# Altium PCB DAC5682.PcbDoc (part 3 of 3)
Units mil, origin at the board's own origin, x right, y up, seen from the top; angles counter-clockwise.
Board outline 2673.5 x 3399 mil, 4 copper layers (Top Layer, Layer 1, Layer 2, Bottom Layer), stack 23.756 mil thick; 202 components, 137 nets, 676 pads, 436 vias.
Unrouted connection lines stored in the file: 2.
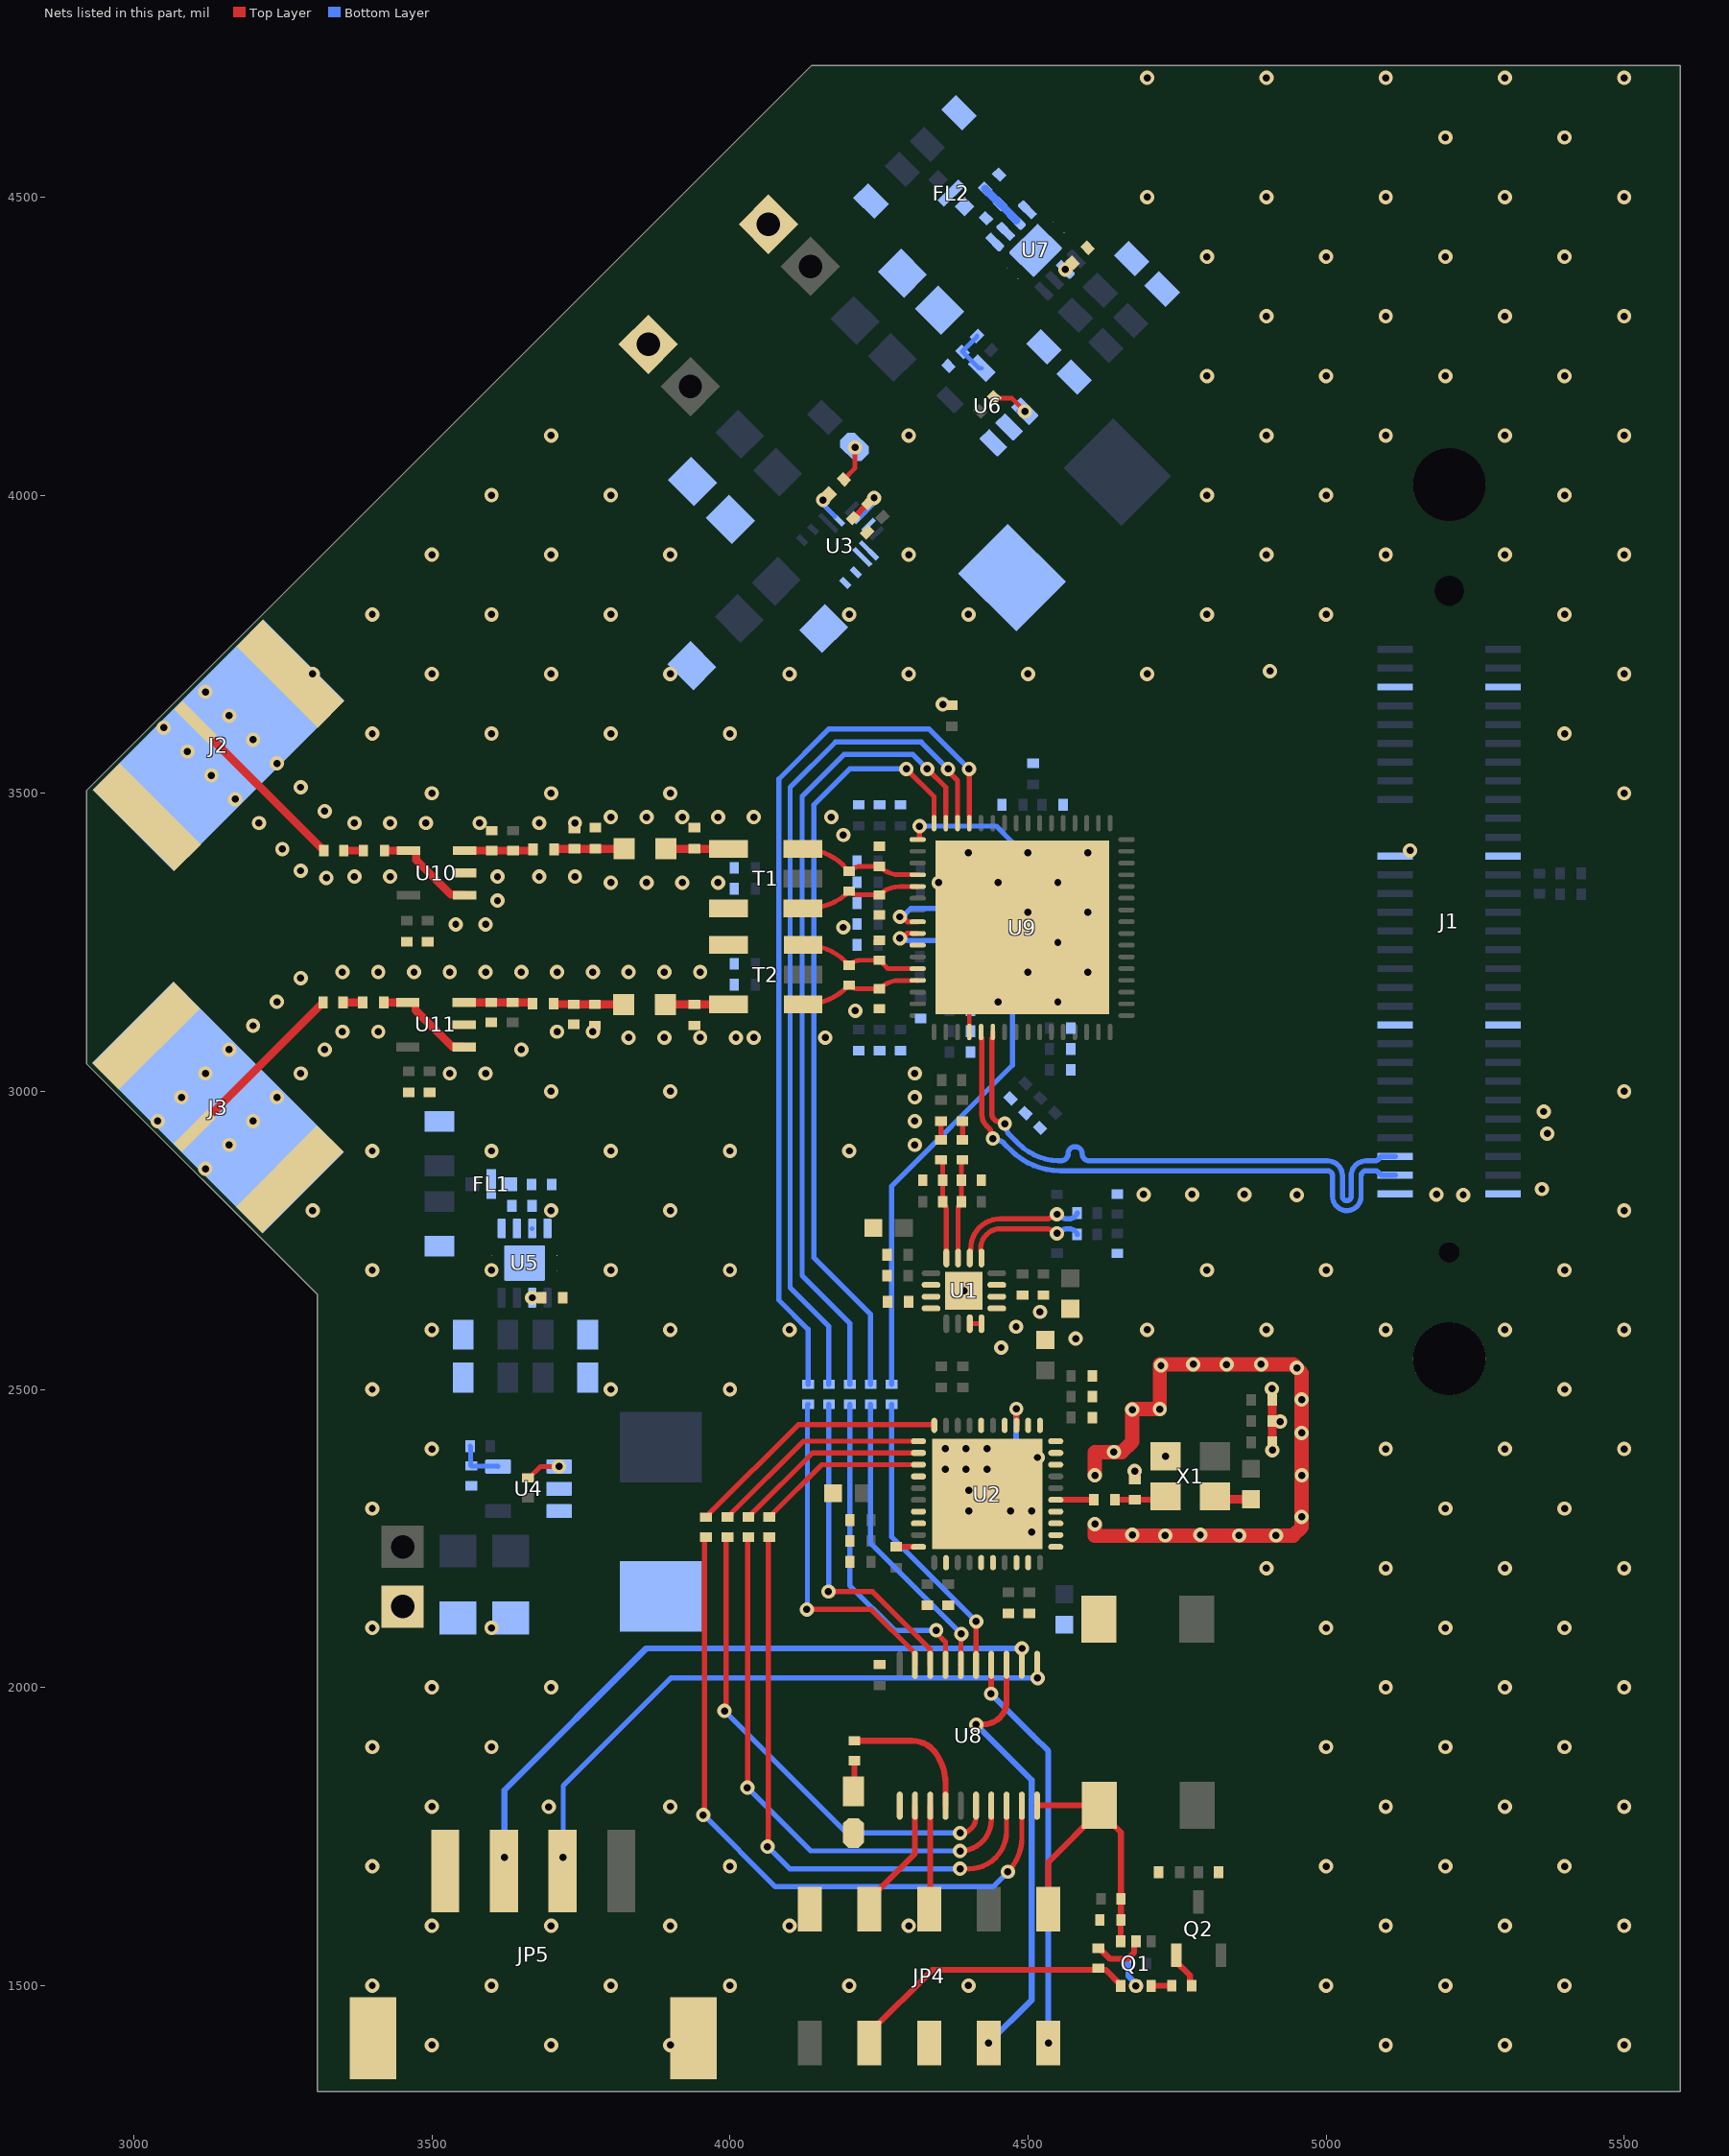
[diagram p5: the nets of this part, all layers, seen from the top]

## Via types
v1: diameter 24, hole 12, Top Layer to Bottom Layer, tented both sides, 436 vias

## Nets (pads, with @x,y where several pads share a name; then routed paths per layer and width w, separated by ;. In a path a pad name is that pad's centre, name@x,y a point inside that pad or via, vN(x,y) a via of type N, cw(c..) or ccw(c..) an arc to the next point about the centre after c; other vN are vias at no path point) (continued)
GND: C1.2 C4.1 C5.1 C6.1 C8.1 C9.1 C10.1 C11.1 C12.1 C13.1 C14.1 C17.1 C18.1 C19.1 C21.1 C22.1 C23.2 C24.2 C25.1 C26.1 C27.1 C28.1 C29.1 C30.1 C31.1 C32.1 C33.1 C34.1 C35.1 C36.1 C37.1 C38.1 C39.1 C40.1 C41.1 C42.1 C43.1 C44.1 C45.1 C46.1 C47.1 C48.2 C49.2 C50.2 C51.2 C52.1 C53.1 C54.1 C55.1 C56.2 C57.1 C58.1 C59.1 C60.1 C61.1 C62.1 C63.1 C64.1 C65.1 C66.1 C67.1 C68.1 C69.1 C70.1 C71.1 C72.1 C73.1 C74.1 C75.1 C76.1 C77.1 C78.1 C79.1 C80.1 C81.1 C82.1 C83.1 C84.1 C85.1 C86.2 C89.2 C90.2 C93.2 C94.2 C95.2 C96.1 C97.1 C98.1 C99.1 C100.1 C101.1 C102.1 C103.1 C106.1 FL1.2 FL2.2 J1.1 J1.10 J1.19 J1.28 J1.31 J1.40 J1.49 J1.58 J2.2 J2.3 J2.4 J3.2 J3.3 J3.4 JP1.1 JP2.1 JP3.1 JP4.1 JP4.6 JP5.0 JP5.1 LED2.2 pad.0@5206.85,2551.42 R2.2 R11.1 R14.2 R15.2 R16.2 R20.1 R24.2 R25.1 R31.2 R32.1 R45.1 R46.1 R49.2 R50.1 R51.1 R53.1 R55.2 R57.1 R58.1 R61.2 SW2.2 T1.4 T2.6 U1.3 U1.4 U1.5 U1.6 U1.7 U1.14 U1.17 U2.2 U2.5 U2.6 U2.8 U2.9 U2.11 U2.12 U2.13 U2.14 U2.18 U2.19 U2.20 U2.21 U2.22 U2.24 U2.26 U2.34 U2.37 U2.38 U2.41 U3.1 U3.2 U3.11 U4.2 U5.4 U5.9 U6.2 U7.4 U7.9 U8.1 U9.4 U9.58 U9.65 U10.2 U11.2 X1.2 | length 1464.2
  Top Layer w7.87: U9.4@4401.49,3099.43 U9.65@4401.49,3186.04
  Top Layer w8: U9.65@4401.49,3186.04 U9.65@4490.07,3274.62 ; U1.3@4402.32,2610.19 U1.4@4422.01,2610.19
  Top Layer w15: C19.1@4909.63,2411.24 C17.1@4909.61,2482.45
  Top Layer w24: v1(4612,2274) 4612,2254.13 4673.13,2254.13 v1(4675,2256) ; v1(4612,2355.75) 4612,2394.75 4657.42,2394.75 4675,2412.32 4675,2466.75 v1(4721,2466.75) 4721,2541.75 v1(4832.97,2541.75) 4890.75,2541.75 v1(4891,2542) 4945,2542 v1(4951,2536) ; v1@4675,2254.75 4944.94,2254.75 4959,2268.81 v1(4959,2286) 4959,2355.5 v1(4959.27,2355.77) 4959,2356.04 v1(4959,2427) 4959,2527.69 v1@4950.84,2535.84
  other v1: 3500,1400 3700,1400 3900,1400 5100,1400 5300,1400 5500,1400 3400,1500 3600,1500 3800,1500 4000,1500 4200,1500 4400,1500 5000,1500 5200,1500 5400,1500 3500,1600 3700,1600 3900,1600 4100,1600 4300,1600 5100,1600 5300,1600 5500,1600 3400,1700 4000,1700 5000,1700 5200,1700 5400,1700 3500,1800 3695.93,1799.59 3900,1800 5100,1800 5300,1800 5500,1800 3400,1900 3600,1900 5000,1900 5200,1900 5400,1900 3500,2000 3700,2000 5100,2000 5300,2000 5500,2000 3400,2100 3600,2100 5000,2100 5200,2100 5400,2100 4900,2200 5100,2200 5300,2200 5500,2200 4730,2255 4854,2255 4916,2255 4789,2256 4506,2260.75 4401,2295.75 4471,2295.75 4506,2295.75 3400,2300 5200,2300 5400,2300 4401,2330.75 4679,2363 4361,2365.75 4396,2365.75 4431,2365.75 4516,2385.75 4730.74,2387.53 4644,2395 4910,2398 3500,2400 5100,2400 5300,2400 5500,2400 4361,2400.75 4396,2400.75 4431,2400.75 4923,2446 4675,2466 4959,2483 3400,2500 3800,2500 4000,2500 5400,2500 4909,2501 4723,2540 4777,2542 4455,2570 4580,2585 3500,2600 3900,2600 4100,2600 4700,2600 4900,2600 5100,2600 5300,2600 5500,2600 4480,2605 4520,2630 4392.48,2665.31 3400,2700 3600,2700 3800,2700 4000,2700 4800,2700 5000,2700 5400,2700 3300,2800 3700,2800 3900,2800 5500,2800 4951,2826 5230,2826 4694,2827 4775,2827 4863,2827 5185,2827 5362,2836 3120,2870 3400,2900 3600,2900 3800,2900 4000,2900 4200,2900 3160,2910 4310,2910 5371,2929 3040,2950 3200,2950 4310,2950 5365,2966 3080,2990 3240,2990 4310,2990 3700,3000 3900,3000 5500,3000 3120,3030 3280,3030 3530,3030 3590,3030 4310,3030 3160,3070 3320,3070 3650,3070 3830,3090 3890,3090 3950,3090 4010,3090 4040,3090 4160,3090 3350,3100 3410,3100 3710,3100 3770,3100 3200,3110 4210.18,3135.2 3240,3150 4450,3150 4550,3150 3280,3190 3350,3200 3410,3200 3470,3200 3530,3200 3590,3200 3650,3200 3710,3200 3770,3200 3830,3200 3890,3200 3950,3200 4500,3200 4600,3200 4550,3250 4190,3275 3540,3280 3590,3280 4500,3300 4600,3300 3610,3320 3800,3350 3860,3350 3920,3350 3980,3350 4350,3350 4450,3350 4550,3350 3323,3358 3370,3360 3430,3360 3610,3360 3680,3360 3740,3360 3280,3370 4400,3400 4500,3400 4600,3400 5141,3404 3249.06,3406.44 4190,3430 3210,3450 3370,3450 3430,3450 3490,3450 3580,3450 3680,3450 3740,3450 3800,3460 3860,3460 3920,3460 3980,3460 4040,3460 4170,3460 3320,3470 3170,3490 3500,3500 3700,3500 3900,3500 5500,3500 3280,3510 3130,3530 3240,3550 3090,3570 3200,3590 3400,3600 3600,3600 3800,3600 4000,3600 5400,3600 3050,3610 3160,3630 4357,3649 3120,3670 3300,3700 3500,3700 3700,3700 3900,3700 4100,3700 4300,3700 4500,3700 4700,3700 5500,3700 4906,3705 3400,3800 3600,3800 3800,3800 4200,3800 4400,3800 4800,3800 5000,3800 5400,3800 3500,3900 3700,3900 3900,3900 4300,3900 4900,3900 5100,3900 5300,3900 5500,3900 3600,4000 3800,4000 4800,4000 5000,4000 5400,4000 3700,4100 4300,4100 4900,4100 5100,4100 5300,4100 5500,4100 4800,4200 5000,4200 5200,4200 5400,4200 4900,4300 5100,4300 5300,4300 5500,4300 4800,4400 5000,4400 5200,4400 5400,4400 4700,4500 4900,4500 5100,4500 5300,4500 5500,4500 5200,4600 5400,4600 4700,4700 4900,4700 5100,4700 5300,4700 5500,4700
IOUTA_N: R46.2 R47.2 T1.1 U9.52 | length 209.9
  Top Layer w8: T1.1@4122.48,3406.86 cw(c4122.47,3310.66) 4190.5,3378.69 R47.2@4200.07,3369.11 cw(c4219.95,3349.24) 4219.95,3377.35 R46.2@4250.74,3377.35 ccw(c4284.88,3411.49) 4284.88,3363.2 U9.52@4314.88,3363.2
IOUTA_P: R47.1 R50.2 T1.3 U9.53 | length 205.6
  Top Layer w8: T1.3@4122.48,3306.86 4130.57,3306.86 ccw(c4130.57,3405.15) R47.1@4200.07,3335.65 ccw(c4215.21,3350.79) 4215.21,3329.38 R50.2@4250.74,3329.38 cw(c4284.88,3295.24) 4284.88,3343.52 U9.53@4314.88,3343.52
IOUTB_N: R53.2 R56.2 T2.3 U9.61 | length 206.8
  Top Layer w8: T2.3@4122.57,3145.88 4126.36,3145.88 ccw(c4126.36,3245.88) 4197.07,3175.17 R56.2@4200.07,3178.17 ccw(c4215.21,3193.31) 4215.21,3171.9 R53.2@4250.73,3171.9 cw(c4284.88,3137.76) 4284.88,3186.04 U9.61@4314.88,3186.04
IOUTB_P: R56.1 R57.2 T2.1 U9.60 | length 211.4
  Top Layer w8: T2.1@4122.57,3245.88 4124.4,3245.88 cw(c4124.4,3145.88) 4195.11,3216.59 R56.1@4200.07,3211.63 cw(c4219.95,3191.76) 4219.95,3219.87 R57.2@4250.73,3219.87 4252.7,3219.87 4256.58,3215.99 4256.58,3214.02 4264.88,3205.72 4284.88,3205.72 U9.60@4314.88,3205.72
NC: U3.3 U3.4
NetC1_1: C1.1 U1.15 U1.16
NetC2_1: C2.1 R3.2 | length 31.6
  Top Layer w8.65: R3.2@4354,2918.46 C2.1@4354,2950.03
NetC3_2: C3.2 U2.40 | length 37.5
  Top Layer w9.84: C3.2@4278.65,2235.88 U2.40@4316.2,2235.88
NetC5_2: C5.2 R4.1 R5.2 | length 66.2
  Bottom Layer w9.84: R4.1@4446.37,2298.22 4447.22,2299.07 4447.22,2328.9 4448.93,2330.61 4480.51,2330.61 R5.2@4481.37,2329.75
NetC7_1: C7.1 R8.2 | length 31.6
  Top Layer w8.65: R8.2@4390,2918.46 C7.1@4390,2950.03
NetC14_2: C14.2 R7.1 | length 31.5
  Bottom Layer w9.84: R7.1@4375.37,2298.22 C14.2@4375.37,2329.75
NetC16_2: C16.2 R15.1 X1.3 | length 87.4
  Top Layer w10: C16.2@4645.79,2315.06 4645.91,2314.94 4678.95,2314.94 R15.1@4679.08,2314.81 4724.96,2314.81 X1.3@4730.74,2320.6
NetC48_1: C48.1 U5.6
  other v1: 3668.18,2653.75
NetC56_1: C56.1 U7.6
  other v1: 4562.78,4378.55
NetC87_1: C87.1 R48.1 R49.1 U10.3 | length 115.9
  Top Layer w13.48: U10.3@3554.97,3403.77 R49.1@3600.56,3403.77 R48.1@3636,3403.75 3668.53,3403.75 3669.67,3404.89 C87.1@3669.67,3405.61
NetC87_2: C87.2 C90.1 L3.2 R51.2 | length 115.3
  Top Layer w13.48: C87.2@3707.06,3406.86 R51.2@3739.06,3406.86 C90.1@3774.34,3406.86 L3.2@3822.39,3406.86
NetC88_1: C88.1 R52.2 | length 33
  Top Layer w13.48: R52.2@3352.02,3403.81 C88.1@3385.02,3403.81
NetC88_2: C88.2 U10.1 U10.4 | length 163.4
  Top Layer w13.48: C88.2@3420.48,3403.77 U10.4@3460.48,3403.77 ; U10.4@3470.84,3403.09 3473.35,3403.09 3473.43,3403.01 3473.43,3388.32 3532.02,3329.73 3554.21,3329.73 U10.1@3554.97,3328.97
NetC89_1: C89.1 L3.1 T1.6 | length 105.1
  Top Layer w13.48: L3.1@3892.39,3406.86 C89.1@3940.43,3406.86 T1.6@3997.47,3406.86
NetC91_1: C91.1 R54.1 R55.1 U11.3 | length 116.6
  Top Layer w13.48: U11.3@3554.01,3149.14 R55.1@3599.6,3149.13 R54.1@3635.19,3149.14 3667.7,3149.14 3668.84,3148.01 C91.1@3668.84,3147.27 C91.1@3668.46,3147.64
NetC91_2: C91.2 C94.1 L4.2 R58.2 | length 117.4
  Top Layer w13.48: C91.2@3704.27,3147.26 3705.27,3146.26 R58.2@3737.27,3146.26 ; R58.2@3737.77,3145.76 C94.1@3773.05,3145.76 ; C94.1@3773.27,3145.98 3773.5,3145.75 3821.54,3145.75 L4.2@3821.77,3145.52
NetC92_1: C92.1 R59.2 | length 33.1
  Top Layer w13.48: R59.2@3351.01,3149.09 3384.01,3149.09 C92.1@3384.08,3149.16
NetC92_2: C92.2 U11.1 U11.4 | length 172.6
  Top Layer w13.48: C92.2@3419.51,3149.15 U11.4@3459.51,3149.15 3471.69,3149.15 3472.45,3148.39 3472.45,3136.21 3533.55,3075.11 3553.24,3075.11 U11.1@3554,3074.35
NetC93_1: C93.1 L4.1 T2.4 | length 106
  Top Layer w13.48: L4.1@3891.77,3145.52 3892,3145.75 3940.04,3145.75 C93.1@3940.27,3145.98 3940.32,3145.93 3997.53,3145.93 T2.4@3997.57,3145.88
NetC95_1: C95.1 U9.56 | length 165.1
  Top Layer w8.65: v1(4285,3292.75) 4289.15,3292.75 4297.44,3284.46 U9.56@4314.88,3284.46
  Bottom Layer w8.65: v1(4285,3292.75) 4289.15,3292.75 4303.15,3306.75 4362.28,3306.75 cw(c4362.28,3275.75) C95.1@4393.28,3275.75
NetFB1_2: FB1.2 X1.4 | length 62.6
  Top Layer w10: X1.4@4813.42,2320.6 X1.4@4818.33,2315.68
  Top Layer w15: X1.4@4818.33,2315.68 FB1.2@4873.94,2315.68
NetFL1_1: FL1.1 R23.2 U5.1 U5.2
NetFL2_1: FL2.1 R28.2 U7.1 U7.2
NetJ2_1: J2.1 R52.1 | length 305.5
  Top Layer w13.48: J2.1@3103.32,3619.04 3315.46,3406.91 3317.43,3406.91 3318.56,3405.77 R52.1@3318.56,3403.81
NetJ3_1: J3.1 R59.1 | length 305.5
  Top Layer w13.48: J3.1@3102.32,2933.86 3314.45,3145.99 3316.42,3145.99 3317.55,3147.12 R59.1@3317.55,3149.09
NetL1_1: L1.1 U4.3
NetL2_1: L2.1 U6.3
NetLED1_2: LED1.2 R9.2 | length 62.9
  Top Layer w8: R9.2@4191.03,4026.54 4209.86,4045.37 v1(4209.86,4080.18) v1@4208.8,4081.23
NetLED2_1: LED2.1 R42.2 | length 52
  Top Layer w10: LED2.1@4207.22,1825.75 4208.96,1827.49 R42.2@4208.96,1877.04
NetQ1_2: Q1.2 R38.2 | length 43.9
  Bottom Layer w10: R38.2@4665.25,1536.75 4668.13,1533.87 4668.13,1515.98 4680.97,1503.14 v1(4680.97,1499.35)
NetQ1_3: Q1.3 R44.1 | length 34.8
  Top Layer w10: Q1.3@4706.56,1499.35 4706.76,1499.55 4741.02,1499.55 R44.1@4741.22,1499.75
NetQ1_5: Q1.5 R43.2 | length 91.5
  Top Layer w10: R43.2@4617.97,1562.46 4619.94,1562.46 4637.65,1544.75 4666.97,1544.75 4678.09,1555.88 4678.09,1571.28 Q1.5@4680.97,1574.15
NetQ2_1: Q2.1 R44.2 | length 61.8
  Top Layer w10: Q2.1@4748.57,1550.75 4748.57,1539.92 4771.81,1516.68 4771.81,1502.62 R44.2@4774.68,1499.75
NetR12_1: R12.1 R16.1 U3.10 | length 81.3
  Top Layer w10: R16.1@4206.55,3961.44 R12.1@4232,3986.9
  Bottom Layer w8: U3.10@4218.57,3963.69 4241.73,3986.86 v1(4241.73,3995.56)
  Bottom Layer w10: v1@4239.05,3992.88 v1(4241.73,3995.56)
NetR21_2: R21.2 R24.1 U4.5 | length 79.3
  Bottom Layer w8: R21.2@3564.28,2404.75 3565.14,2403.89 3565.14,2372.36 3566.47,2371.03 3610.52,2371.03 U4.5@3611,2370.55
NetR22_2: R22.2 U4.1 | length 60.3
  Top Layer w8: R22.2@3661,2351.46 3662.97,2351.46 3682.06,2370.55 v1(3713.36,2370.55)
NetR23_1: R23.1 R25.2 U5.3 | length 0.1
  Bottom Layer w8: U5.3@3668.09,2769.98 U5.3@3668.18,2769.89
NetR26_2: R26.2 R31.1 U6.5 | length 80.2
  Bottom Layer w8: R26.2@4414.39,4267.02 4414.39,4265.81 4390.17,4241.59 R31.1@4390.17,4240.37 4417.56,4212.99 U6.5@4422.32,4212.99
NetR27_2: R27.2 U6.1 | length 72.3
  Top Layer w8: R27.2@4443.18,4164.29 4444.57,4162.9 4472.41,4162.9 v1(4494.7,4140.61)
  Bottom Layer w8: U6.1@4483.76,4140.61 v1(4494.7,4140.61)
NetR28_1: R28.1 R32.2 U7.3 | length 75.1
  Bottom Layer w8: R32.2@4428.03,4513.66 R32.2@4428.03,4514 ; U7.3@4480.66,4460.68 U7.3@4480.66,4461.02
  Bottom Layer w13.78: R32.2@4428.03,4513.66 U7.3@4480.66,4461.02
NetR61_1: R61.1 U9.57 | length 150.6
  Top Layer w8.65: v1(4285,3256.75) 4289.15,3256.75 4297.18,3264.78 U9.57@4314.88,3264.78
  Bottom Layer w8.65: v1(4285,3256.75) 4287.93,3253.81 4296.75,3253.81 4297.74,3252.82 4383.81,3252.82 4390.36,3246.27 4391.7,3246.27 4395.25,3242.72 R61.1@4395.25,3241.39
NRST: C86.1 JP4.9 Q1.6 R41.2 SW2.1 U8.10 | length 548.8
  Top Layer w10: U8.10@4515.12,1801.64 4515.12,1802.36 4515.2,1802.44 SW2.1@4619.75,1802.44 SW2.1@4619.75,1792.6 ; JP4.9@4533.97,1627.96 4533.97,1706.81 SW2.1@4619.75,1792.6 ; Q1.6@4655.38,1574.15 4655.53,1574.31 4655.53,1609.6 C86.1@4655.68,1609.75 4655.68,1756.66 SW2.1@4619.75,1792.6
PA2: JP4.8 U8.13 | length 736.8
  Top Layer w10: v1(4412.97,1937.75) 4424,1937.75 ccw(c4424,1978.72) 4452.97,1949.75 ccw(c4426.47,1976.25) 4463.94,1976.25 U8.13@4463.94,2037.86
  Bottom Layer w10: v1(4412.97,1937.75) 4506,1844.72 4506,1475.58 v1(4433.97,1403.55)
PA3: JP4.10 U8.14 | length 674.2
  Top Layer w10: v1(4437.97,1989.43) 4438.27,1989.73 4438.27,2037.78 U8.14@4438.35,2037.86
  Bottom Layer w10: v1(4437.97,1989.43) 4507.74,1919.66 4533.97,1893.43 4533.97,1856.33 v1(4533.97,1403.55)
PA4: R35.1 U8.15 | length 496
  Top Layer w8.65: U8.15@4412.76,2037.86 4412.99,2038.09 v1(4412.99,2110.75)
  Bottom Layer w8.65: R35.1@4271,2475 4271,2252.74 v1(4412.99,2110.75)
PA5: R30.1 U8.7 | length 927.9
  Top Layer w8.65: v1(4029,1832) 4030,1833 4030,2251.29 R30.1@4031,2252.29 ; v1(4386,1725.75) ccw(c4386,1778.11) 4438.35,1778.11 U8.7@4438.35,1801.64
  Bottom Layer w8.65: v1(4029,1832) 4135.25,1725.75 v1(4386,1725.75)
PA6: R29.1 U8.6 | length 834.7
  Top Layer w8.65: v1(3991,1960.75) 3993.5,1963.25 3993.5,2249.79 R29.1@3996,2252.29 ; v1(4386,1755.75) ccw(c4386,1782.52) 4412.76,1782.52 U8.6@4412.76,1801.64
  Bottom Layer w8.65: v1(3991,1960.75) 4196,1755.75 v1(4386,1755.75)
PA7: R36.1 U8.16 | length 500.4
  Top Layer w8.65: U8.16@4387.17,2037.86 4387.4,2038.09 4387.4,2089.15 v1(4388,2089.75)
  Bottom Layer w8.65: R36.1@4236,2475 4236,2241.75 v1(4388,2089.75)
PB0: R37.1 U8.17 | length 544.5
  Top Layer w8.65: v1(4346,2095.75) 4346,2091.6 4361.58,2076.02 U8.17@4361.58,2037.86
  Bottom Layer w8.65: R37.1@4201,2475 4201,2171 4276.25,2095.75 v1(4346,2095.75)
PB1: R40.1 U8.19 | length 576.4
  Top Layer w8.65: v1(4129,2130.75) 4237,2130.75 4309.8,2057.94 4309.8,2057.48 4310.4,2056.89 U8.19@4310.4,2037.86
  Bottom Layer w8.65: v1(4129,2130.75) 4130,2131.75 4130,2474 R40.1@4131,2475
PB2: R39.1 U8.18 | length 551.7
  Top Layer w8.65: v1(4165,2160.75) 4239,2160.75 4335.76,2063.99 4335.76,2038.09 U8.18@4335.99,2037.86
  Bottom Layer w8.65: v1(4165,2160.75) 4165.5,2161.25 4165.5,2474.5 R39.1@4166,2475
PB3: R42.1 U8.4 | length 234.6
  Top Layer w10: R42.1@4208.96,1910.5 4305.14,1910.5 cw(c4305.14,1861.25) 4345.69,1889.21 cw(c4271.57,1838.13) 4361.58,1838.13 U8.4@4361.58,1801.64
PF0: R33.1 U8.8 | length 1000.8
  Top Layer w8.65: v1(4063,1733) 4064.5,1734.5 4064.5,2250.79 R33.1@4066,2252.29 ; 4401,1695.75 ccw(c4401,1758.7) 4463.94,1758.7 U8.8@4463.94,1801.64
  Bottom Layer w8.65: v1(4063,1733) 4100.25,1695.75 v1(4386,1695.75)
PF1: R34.1 U8.9 | length 1156.5
  Top Layer w8.65: v1(3955,1786) 3957.31,1788.31 3957.31,2249.93 R34.1@3959.62,2252.24 ; v1(4466,1690.75) ccw(c4409.17,1747.58) 4489.53,1747.58 U8.9@4489.53,1801.64
  Bottom Layer w8.65: v1(3955,1786) 3955.75,1786 4076,1665.75 4441,1665.75 v1(4466,1690.75)
PG: R9.1 U3.8 | length 35.8
  Bottom Layer w8: v1(4156.29,3991.96) 4159.35,3988.9 4159.35,3981.16 U3.8@4176.12,3964.39
Q1_N: R8.1 R10.2 R11.2 U1.11 | length 166.5
  Top Layer w8.65: U1.11@4382.64,2720.42 4382.64,2801.12 cw(c4401.91,2801.12) R10.2@4388.28,2814.75 R11.2@4388.28,2850.75 4388.28,2880.86 cw(c4394.14,2880.86) R8.1@4390,2885
Q1_P: R1.1 R2.1 R3.1 U1.12 | length 167
  Top Layer w8.65: R3.1@4354,2885 cw(c4347.36,2878.37) 4356.75,2878.37 R2.1@4356.75,2850.75 R1.1@4356.75,2814.75 cw(c4341.77,2799.78) 4362.95,2799.78 U1.12@4362.95,2720.42
Q2_N: R18.1 R19.2 U1.9 | length 205.7
  Top Layer w8.65: U1.9@4422.01,2720.42 4422.01,2730.5 ccw(c4419.42,2730.5) 4421.25,2732.33 cw(c4423.08,2734.16) 4420.49,2734.16 4420.49,2736.03 cw(c4453.92,2736.03) 4430.28,2759.67 cw(c4453.92,2736.03) 4453.92,2769.47 4531.41,2769.47 cw(c4531.41,2756.42) 4540.63,2765.65 4541.52,2764.76 ccw(c4548.61,2771.85) v1(4548.61,2761.83)
  Bottom Layer w8.65: v1(4548.61,2761.83) ccw(c4548.61,2766.58) 4551.96,2763.21 4552.37,2763.63 cw(c4566.47,2749.53) 4566.47,2769.47 4569.33,2769.47 cw(c4569.33,2756.42) 4578.54,2765.65 4580.98,2763.21 cw(c4577.62,2759.85) R18.1@4582.38,2759.85
Q2_P: R13.1 R17.1 U1.10 | length 231.8
  Top Layer w8.65: U1.10@4402.32,2720.42 4402.32,2730.5 cw(c4404.91,2730.5) 4403.08,2732.33 ccw(c4401.25,2734.16) 4403.84,2734.16 4403.84,2736.03 cw(c4453.92,2736.03) 4418.51,2771.45 cw(c4453.92,2736.03) 4453.92,2786.12 4531.38,2786.12 ccw(c4531.38,2799.16) 4540.6,2789.94 4541.48,2790.82 cw(c4548.57,2783.73) v1(4548.57,2793.75)
  Bottom Layer w8.65: v1(4548.57,2793.75) cw(c4548.57,2789) 4551.93,2792.37 4552.37,2791.92 ccw(c4566.39,2805.95) 4566.39,2786.12 4569.11,2786.12 ccw(c4569.11,2799.38) 4578.49,2790 4580.98,2792.49 ccw(c4577.62,2795.85) R17.1@4582.38,2795.85
RESETB_DAC: R35.2 U9.49 | length 1181.1
  Top Layer w8.65: U9.49@4318,3424.21 v1(4318,3444.75)
  Bottom Layer w8.65: R35.2@4271,2508.46 4271,2820.75 4271,2840.75 4473.95,3043.71 4473.95,3417.79 4447,3444.75 v1(4318,3444.75)
RTS: JP4.4 Q1.1 R43.1 | length 495.7
  Top Layer w10: JP4.4@4233.97,1403.55 4233.97,1420.87 4339.22,1526.13 4630.57,1526.13 4655.38,1501.32 Q1.1@4655.38,1499.35 Q1.1@4656.17,1498.56
SCK_PLL: R30.2 U2.32 | length 330.9
  Top Layer w8.65: R30.2@4031,2285.75 4032.97,2285.75 4036.51,2289.3 4036.51,2291.27 4138.61,2393.36 U2.32@4316.2,2393.36
SCLK_DAC: R37.2 U9.47 | length 1372.5
  Top Layer w8.65: v1(4331,3540.75) 4362.12,3509.63 U9.47@4362.12,3449.82
  Bottom Layer w8.65: R37.2@4201,2508.46 4201,2610.75 4121,2690.75 4121,3495 4191,3565 4306.75,3565 v1(4331,3540.75)
SDENB_DAC: R36.2 U9.48 | length 1294.7
  Top Layer w8.65: v1(4296,3540.75) 4342.44,3494.31 U9.48@4342.44,3449.82
  Bottom Layer w8.65: R36.2@4236,2508.46 4236,2625.75 4141,2720.75 4141,3480.75 4201,3540.75 v1@4289.03,3540.75
SDI_PLL: R29.2 U2.31 | length 374.1
  Top Layer w8.65: R29.2@3996,2285.75 3997.97,2285.75 4001.51,2289.3 4001.51,2291.27 4123.29,2413.05 U2.31@4316.2,2413.05
SDIO_DAC: R39.2 U9.46 | length 1441.2
  Top Layer w8.65: v1(4366,3540.75) 4366,3537.05 4381.81,3521.24 U9.46@4381.81,3449.82
  Bottom Layer w8.65: R39.2@4166,2508.46 4166,2605.75 4101,2670.75 4101,3510 4177,3586 4320.75,3586 v1(4366,3540.75)
SDO_DAC: R40.2 U9.45 | length 1508.6
  Top Layer w8.65: v1(4401,3540.75) 4401.24,3540.5 4401.24,3450.07 U9.45@4401.49,3449.82
  Bottom Layer w8.65: R40.2@4131,2508.46 4131,2600.75 4082,2649.75 4082,3524 4166,3608 4333.75,3608 v1(4401,3540.75)
SDO_PLL: R33.2 U2.33 | length 287.8
  Top Layer w8.65: R33.2@4066,2285.75 4067.97,2285.75 4071.51,2289.3 4071.51,2291.27 4153.92,2373.68 U2.33@4316.2,2373.68
SEN_PLL: R34.2 U2.30 | length 449.3
  Top Layer w8.65: R34.2@3959.62,2285.71 3961.59,2285.71 3965.14,2289.25 3965.14,2291.22 4114.67,2440.75 4342.23,2440.75 4342.78,2440.2 U2.30@4342.78,2439.62
SWC: JP4.5 U8.3 | length 174.5
  Top Layer w10: JP4.5@4333.97,1627.96 4335.99,1629.98 U8.3@4335.99,1801.64
SWD: JP4.3 U8.2 | length 205.3
  Top Layer w10: JP4.3@4233.97,1627.96 4233.97,1645.28 4310.4,1721.71 U8.2@4310.4,1801.64
SYNC_N: J1.3 U9.6 | length 985
  Top Layer w8.65: U9.6@4440.86,3099.43 4440.86,3091.43 cw(c4438.27,3091.43) 4440.1,3089.6 ccw(c4441.93,3087.77) 4439.34,3087.77 4439.34,2962.33 ccw(c4452.98,2962.33) 4443.34,2952.68 4443.54,2952.48 ccw(c4452.7,2961.64) 4452.7,2948.69 4453.91,2948.69 cw(c4453.91,2938.66) v1(4461,2945.75)
  Bottom Layer w8.65: v1(4461,2945.75) cw(c4453.91,2938.66) 4463.93,2938.66 ccw(c4479.8,2938.66) 4468.58,2927.44 4483.34,2912.68 ccw(c4554.05,2983.39) 4551,2883.44 ccw(c4554.05,2983.39) 4554.05,2883.39 4555.32,2883.39 ccw(c4555.32,2895.22) 4567.15,2895.22 cw(c4578.97,2895.22) 4590.8,2895.22 ccw(c4602.62,2895.22) 4602.62,2883.39 4629.78,2883.39 4971.87,2883.39 5002.09,2883.39 cw(c5002.09,2858.09) 5027.39,2858.09 5027.39,2823.8 ccw(c5034.71,2823.8) 5042.04,2823.8 5042.04,2858.09 cw(c5067.34,2858.09) 5067.34,2883.39 5079.99,2883.39 5081.57,2883.39 ccw(c5081.57,2892.04) 5087.68,2885.92 5090.22,2888.46 cw(c5091.86,2888.46) 5090.7,2889.62 cw(c5093.58,2886.74) 5093.58,2890.81 J1.3@5115.89,2890.81
SYNC_P: J1.2 U9.5 | length 984.4
  Top Layer w8.65: U9.5@4421.18,3099.43 4421.18,3091.43 ccw(c4423.77,3091.43) 4421.93,3089.6 cw(c4420.1,3087.77) 4422.69,3087.77 4422.69,2960.65 ccw(c4448.92,2960.65) 4430.38,2942.1 4434.27,2938.21 cw(c4425.11,2929.05) 4438.06,2929.05 4438.06,2927.84 ccw(c4448.09,2927.84) v1(4441,2920.75)
  Bottom Layer w8.65: v1(4441,2920.75) ccw(c4448.09,2927.84) 4448.09,2917.81 cw(c4448.09,2901.95) 4459.31,2913.17 4471.57,2900.91 ccw(c4554.05,2983.39) 4554.05,2866.74 4971.87,2866.74 5002.09,2866.74 cw(c5002.09,2858.09) 5010.74,2858.09 5010.74,2823.8 ccw(c5034.71,2823.8) 5058.69,2823.8 5058.69,2858.09 cw(c5067.34,2858.09) 5067.34,2866.74 5079.99,2866.74 5081.57,2866.74 cw(c5081.57,2858.09) 5087.68,2864.21 5090.22,2861.67 ccw(c5091.86,2861.67) 5090.7,2860.51 ccw(c5093.58,2863.39) 5093.58,2859.32 J1.2@5115.89,2859.32
UART_RX: JP5.2 U8.12 | length 1079.4
  Bottom Layer w10: v1(3621.78,1714.85) 3621.78,1827.78 3859.47,2065.47 v1(4489.82,2065.47)
UART_TX: JP5.3 U8.11 | length 990.9
  Bottom Layer w8.65: v1(3720.21,1714.85) 3720.21,1835.21 3900.75,2015.75 v1(4516,2015.75)
VTUNE: C6.2 R5.1 U2.23 | length 133.2
  Top Layer w9.84: v1(4480.36,2467.46) 4480.57,2467.25 U2.23@4480.57,2439.62
  Bottom Layer w9.84: v1(4480.36,2467.46) 4480.01,2467.11 4480.01,2397.82 C6.2@4479.65,2397.46 4480.51,2396.6 4480.51,2364.07 R5.1@4481.37,2363.22
XREF: C16.1 U2.15 | length 64
  Top Layer w9.84: U2.15@4546.52,2314.62 4609.92,2314.62 C16.1@4610.36,2315.06
pads on no net: FL1. FL2. J1.11 J1.12 J1.13 J1.14 J1.15 J1.16 J1.22 J1.23 J1.29 J1.30 J1.59 J1.60 J1.61 J1.62 JP4.7 JP5.4 U9.64 X1.1

## Polygon pours and split planes (outlines as drawn)
GND on Bottom Layer "NONET_L-01_P-001" (solid, remove dead copper, pour order 51): 4137,4721.02 4137,4721 2920.5,3504.5 2920.51,3504.49 2920.51,3046.52 3308,2659.03 3308,1322.02 5594,1322.02 5594,4721.02
+1.8 on Bottom Layer "NONET_L-01_P-001" (solid, remove dead copper, pour order 36): 4498,3522.59 4498,3506 4483.86,3491.86 4483.86,3466.39 4531.59,3466.39 4531.59,3522.59
+1.8 on Bottom Layer "NONET_L-01_P-001" (solid, remove dead copper, pour order 35): 4206.15,3453.22 4206.15,3437 4256,3437 4276,3417 4286,3417 4293,3424 4293,3434.61 4295.84,3437.46 4295.84,3453.22
+3.3_D on Bottom Layer "NONET_L-01_P-001" (solid, remove dead copper, pour order 34): 4498.73,3030.04 4562.14,2966.63 4545.17,2949.66 4481.76,3013.08
+1.8 on Bottom Layer "NONET_L-01_P-001" (solid, remove dead copper, pour order 33): 4528,3116 4528,3087 4523.76,3082.76 4514.49,3082.76 4507.47,3075.74 4507.47,3065.7 4528,3045.17 4528,3026 4544,3026 4544,3116
+1.8 on Bottom Layer "NONET_L-01_P-001" (solid, remove dead copper, pour order 32): 4360,3146 4360,3096 4346,3082 4331,3082 4324,3075 4324,3065 4333.09,3055.91 4376.15,3055.91 4376.15,3146
+1.8 on Bottom Layer "NONET_L-01_P-001" (solid, remove dead copper, pour order 31): 4206,3115 4206,3091 4296,3091 4296,3115
+3.3 on Bottom Layer "NONET_L-01_P-001" (solid, remove dead copper, pour order 30): 4240,3150 4327,3150 4327,3380 4307,3380 4287.73,3399.27 4240,3399.27
+5_D on Bottom Layer "NONET_L-01_P-001" (solid, remove dead copper, pour order 0): 3882.64,4182.17 4135.1,4434.63 4185.83,4383.9 4363.47,4183.58 4393.88,4153.18 4376.91,4136.21 4221.35,4136.21 4121.64,4036.51 4121.64,4002.56 4182.46,3941.75 4176.09,3935.39 4128.01,3983.47 4081.34,3983.47
NC on Bottom Layer "NONET_L-01_P-001" (solid, remove dead copper, pour order 1): 4196.65,3900.69 4163.25,3867.28 4192.89,3837.64 4226.3,3871.04
+1.8 on Bottom Layer "NONET_L-01_P-001" (solid, remove dead copper, pour order 2): 4169.48,3927.86 4121.64,3880.02 4121.64,3855.73 4018,3752.08 3973.8,3796.29 4137.43,3959.91
NetL2_1 on Bottom Layer "NONET_L-01_P-001" (solid, remove dead copper, pour order 3): 4434.89,4112.17 4381.15,4058.43 4381.15,3868.92 4480.15,3769.93 4565,3854.78 4466.01,3953.77 4466.01,4081.05
+4V_D on Bottom Layer "NONET_L-01_P-001" (solid, remove dead copper, pour order 4): 4656.92,3946.7 4741.07,4030.85 4742.48,4030.85 4742.48,4247.22 4575.01,4414.7 4507.83,4347.52 4635,4220.35 4635,4121.36 4559.34,4045.7
+5_D on Bottom Layer "NONET_L-01_P-001" (solid, remove dead copper, pour order 6): 3933.55,4213.69 3933.55,4231.67 4085.58,4383.69 4101.97,4383.69
NetFL2_1 on Bottom Layer "NONET_L-01_P-001" (solid, remove dead copper, pour order 17): 4479.19,4435.56 4403.52,4511.24 4375.78,4483.49 4451.45,4407.82
+3.3_D on Bottom Layer "NONET_L-01_P-001" (solid, remove dead copper, pour order 18): 4348.99,4512.29 4333.34,4527.94 4306.2,4527.94 4294.89,4516.63 4259.53,4551.99 4326,4618.45 4361.35,4583.1 4349.33,4571.08 4349.33,4545.38 4365.7,4529.01
+5 on Bottom Layer "NONET_L-01_P-001" (solid, remove dead copper, pour order 22): 3415,2271.75 3552,2271.75 3589,2308.75 3660,2308.75 3660,2256.75 3663,2256.75 3663,2199.75 3415,2199.75
NetL1_1 on Bottom Layer "NONET_L-01_P-001" (solid, remove dead copper, pour order 7): 3691,2307.75 3691,2217.75 3815,2093.75 3953,2093.75 3953,2212.75 3830,2212.75 3735,2307.75
+4V on Bottom Layer "NONET_L-01_P-001" (solid, remove dead copper, pour order 10): 3610,2616.75 3610,2467.75 3718,2400.75 3815,2343.75 3953,2343.75 3953,2461.75 3753,2461.75 3705,2509.75 3705,2616.75
+4V on Bottom Layer "NONET_L-01_P-001" (solid, remove dead copper, pour order 11): 3705,2616.75 3701,2620.75 3701,2670.75 3610,2670.75 3610,2616.75
NetR23_1 on Bottom Layer "NONET_L-01_P-001" (solid, remove dead copper, pour order 13): 3656,2853.75 3656,2821.75 3659.85,2817.9 3659.85,2752.75 3676,2752.75 3676,2853.75
NetFL1_1 on Bottom Layer "NONET_L-01_P-001" (solid, remove dead copper, pour order 14): 3644,2856.75 3618,2856.75 3618,2795.75 3609,2786.75 3609,2752.75 3650,2752.75 3650,2786.75 3644,2792.75 3644,2796.75
+3.3 on Bottom Layer "NONET_L-01_P-001" (solid, remove dead copper, pour order 16): 3580,2856.75 3544,2892.75 3487,2892.75 3487,2796.75 3545,2796.75 3580,2831.75
GND on Top Layer "NONET_L-01_P-001" (solid, remove dead copper, pour order 50): 4137,4721 2920.5,3504.5 2920.5,3046.5 3308,2659 3308,1322 5594,1322 5594,4721
+3.3_D on Top Layer "NONET_L-01_P-001" (solid, remove dead copper, pour order 41): 4455.96,2219.21 4458.84,2222.08 4462.99,2222.08 4465.79,2219.28 4465.79,2167.37 4515.01,2167.37 4515.01,2219.2 4517.89,2222.08 4521.97,2222.08 4525,2219.05 4525,2151.55 4455.96,2151.55
+3.3_D on Top Layer "NONET_L-01_P-001" (solid, remove dead copper, pour order 39): 4324.36,2341 4328.99,2336.37 4328.99,2312.59 4326.1,2309.7 4269.65,2309.7 4244.3,2284.35 4244.3,2341
+3.3_D on Top Layer "NONET_L-01_P-001" (solid, remove dead copper, pour order 38): 4209,2341 4209,2310 4228,2291 4228,2201 4244,2185 4314,2185 4321,2178 4321,2165 4376,2165 4376,2182 4362,2182 4347.72,2196.28 4347.72,2219.22 4344.84,2222.1 4340.74,2222.1 4337,2218.36 4253.64,2218.36 4244.3,2227.7 4244.3,2341
+3.3_D on Top Layer "NONET_L-01_P-001" (solid, remove dead copper, pour order 37): 4396.86,2426.8 4396.86,2466.86 4477,2547 4581,2547 4581,2353 4557.41,2329.41 4533.71,2329.41 4533.71,2358.91 4563.57,2358.91 4563.57,2466.43 4526,2504 4482,2504 4446.11,2468.11 4446.11,2426.8 4436.29,2426.8 4436.29,2456.6 4406.81,2456.6 4406.81,2426.8
+3.3_D on Top Layer "NONET_L-01_P-001" (solid, remove dead copper, pour order 28): 4280,2061.75 4280,2029.75 4261.17,2010.93 4241.14,2010.93 4241.14,1966.75 4289.76,1966.75 4289.76,2061.75
+3.3_D on Top Layer "NONET_L-01_P-001" (solid, remove dead copper, pour order 27): 4431.84,2689.75 4477,2689.75 4481,2685.75 4541,2685.75 4556,2670.75 4586,2670.75 4586,2701.34 4436.29,2701.34 4431.84,2696.88
+3.3_D on Top Layer "NONET_L-01_P-001" (solid, remove dead copper, pour order 26): 4276,2785.75 4314,2785.75 4314,2735.75 4354,2695.75 4354,2691.75 4352,2689.75 4321,2689.75 4312,2680.75 4291,2680.75 4291,2740.75 4276,2755.75
+3.3 on Top Layer "NONET_L-01_P-001" (solid, remove dead copper, pour order 25): 3440.78,3336.45 3440.78,3285.97 3448.16,3278.59 3503,3278.59 3503,3298.75 3480.16,3321.58 3480.16,3336.45
+3.3 on Top Layer "NONET_L-01_P-001" (solid, remove dead copper, pour order 24): 3439.83,3081.84 3439.83,3036.92 3451.16,3025.59 3505.84,3025.59 3505.84,3041.33 3479.19,3067.99 3479.19,3081.84
NetC1_1 on Top Layer "NONET_L-01_P-001" (solid, remove dead copper, pour order 23): 4292,2656.75 4292,2636.75 4318.57,2636.75 4324.57,2630.75 4354,2630.75 4354,2660.75 4324.86,2660.75 4320.86,2656.75
GND on Layer 2 "NONET_L-01_P-001" (solid, remove dead copper, pour order 49): 3324,3908 4097,3908 4354,3651 4431,3651 4511,3571 4511,3542 4561,3492 4561,2809 4635,2735 4635,2683 5390,2683 5494,2787 5494,4162 5116,4540 4367,4540 4298,4471 4159,4471 4023,4607
GND on Layer 2 "NONET_L-01_P-001" (solid, remove dead copper, pour order 48): 3264,2703 3308,2659 3308,1322 5594,1322 5594,2618 5027,2618 5027,2165 4962,2100 4962,1557 4883,1478 4382,1478 4186,1674 4186,2840 4309,2963 4309,3036 4146,3036 3813,2703
+3.3_D on Layer 2 "NONET_L-01_P-001" (solid, remove dead copper, pour order 46): 4523,3005 4524,3005 4533,2996 4533,2792 4617,2708 4617,2298 4893,2022 4893,1570 4852,1529 4399,1529 4255,1673 4255,2814 4260,2818
+1.8 on Layer 2 "NONET_L-01_P-001" (solid, remove dead copper, pour order 43): 3999,3791 4085,3877 4097,3877 4102,3872 4102,3833 4329,3606 4426,3606 4531.68,3500.32 4531.68,3065.68 4524.79,3058.79 4330.21,3058.79 4298,3091 4262,3091 4255,3098 4255,3109.13 4341,3170 4341,3370.09 4341,3393.43 4280.26,3413.94 3999,3651.66 3999,3774
+3.3 on Layer 2 "NONET_L-01_P-001" (solid, remove dead copper, pour order 42): 3648.34,2759 3208,2759 2920.5,3046.5 2920.5,3504.5 3213,3797 3777,3797 4174,3400 4300,3400 4300,3315.85 4293.15,3309 4268,3309 4263,3304 4264,3303 4264,3249 4273.25,3239.75 4289.94,3239.75 4297,3232.7 4297,3157 4290,3150 4280,3150 4244,3186 4233.06,3186
GND on Layer 2 "NONET_L-01_P-001" (solid, remove dead copper, pour order 29): 4600,2368.75 4626,2368.75 4626,2242.75 4600,2242.75
GND on Layer 1 "NONET_L-01_P-001" (solid, remove dead copper, pour order 47): 4137,4721 2920.5,3504.5 2920.5,3046.5 3308,2659 3308,1322 5594,1322 5594,4721

## Other copper
Top Layer:
  pour cut-out: 4939,3114 4939,3051 4922,3034 5315,3034 5330,3049 5330,3103.82 5316.65,3117.18
  pour cut-out: 4709,2553.75 4709,2478.75 4663,2478.75 4663,2417.3 4652.43,2406.73 4652.42,2406.75 4600,2406.75 4600,2242.75 4950,2242.75 4972,2264.75 4972,2531.75 4950,2553.75
  pour cut-out: 4827,2571.75 4827,2553.75 4709,2553.75 4709,2478.75 4663,2478.75 4663,2417.75 4652.43,2406.73 4600,2406.75 4600,2242.75 4949,2242.75 4971,2263.75 4972,2531.75 4950,2553.75 4827,2553.75 4827,2571.75 5005,2571.75 5005,2215 4581,2215 4581,2433 4635,2433 4635,2571.75
Layer 2:
  pour cut-out: 4827,2571.75 4827,2553.75 4709,2553.75 4709,2478.75 4663,2478.75 4663,2417.75 4652.43,2406.73 4600,2406.75 4600,2242.75 4949,2242.75 4971,2263.75 4972,2531.75 4950,2553.75 4827,2553.75 4827,2571.75 5005,2571.75 5005,2215 4573,2215 4573,2433 4635,2433 4635,2571.75
Bottom Layer:
  pour cut-out: 5022,3604 5261,3604 5261,3488.01 5022,3488.01
  pour cut-out: 4827,2571.75 4827,2553.75 4709,2553.75 4709,2478.75 4663,2478.75 4663,2417.75 4652.43,2406.73 4600,2406.75 4600,2242.75 4949,2242.75 4971,2263.75 4972,2531.75 4950,2553.75 4827,2553.75 4827,2571.75 5005,2571.75 5005,2215 4581,2215 4581,2433 4635,2433 4635,2571.75
  pour cut-out: 4129.18,3887.55 4156.3,3860.43 4241.15,3945.28 4214.03,3972.4

## Silkscreen, mask and mechanical layers (free items; w line width, h text height)
Top Overlay:
  drawing of 2269 lines, arcs and shapes, not listed
  text "+5V" at 4074,4105.14 h60 r45
  text "OUTA" at 3675,3497 h60
  text "OUTB" at 3688,3009 h60
  text "DAC5682" at 5130,2323 h60
  text "+5V" at 3410,2310 h60
Mechanical 1:
  the board outline again, w6